# Altium PCB Van Battery Controller V1.PcbDoc (part 2 of 3)
Units mil, origin at the board's own origin, x right, y up, seen from the top; angles counter-clockwise.
Board outline 6889.76 x 6889.76 mil, 8 copper layers (Top (Sig/GND), Int1 (GND), Int2 (24V), Int3 (24V), Int4 (GND), Int5 (24V), Int6 (GND), Bottom (Sig/GND)), stack 90.162 mil thick; 161 components, 117 nets, 594 pads, 573 vias.
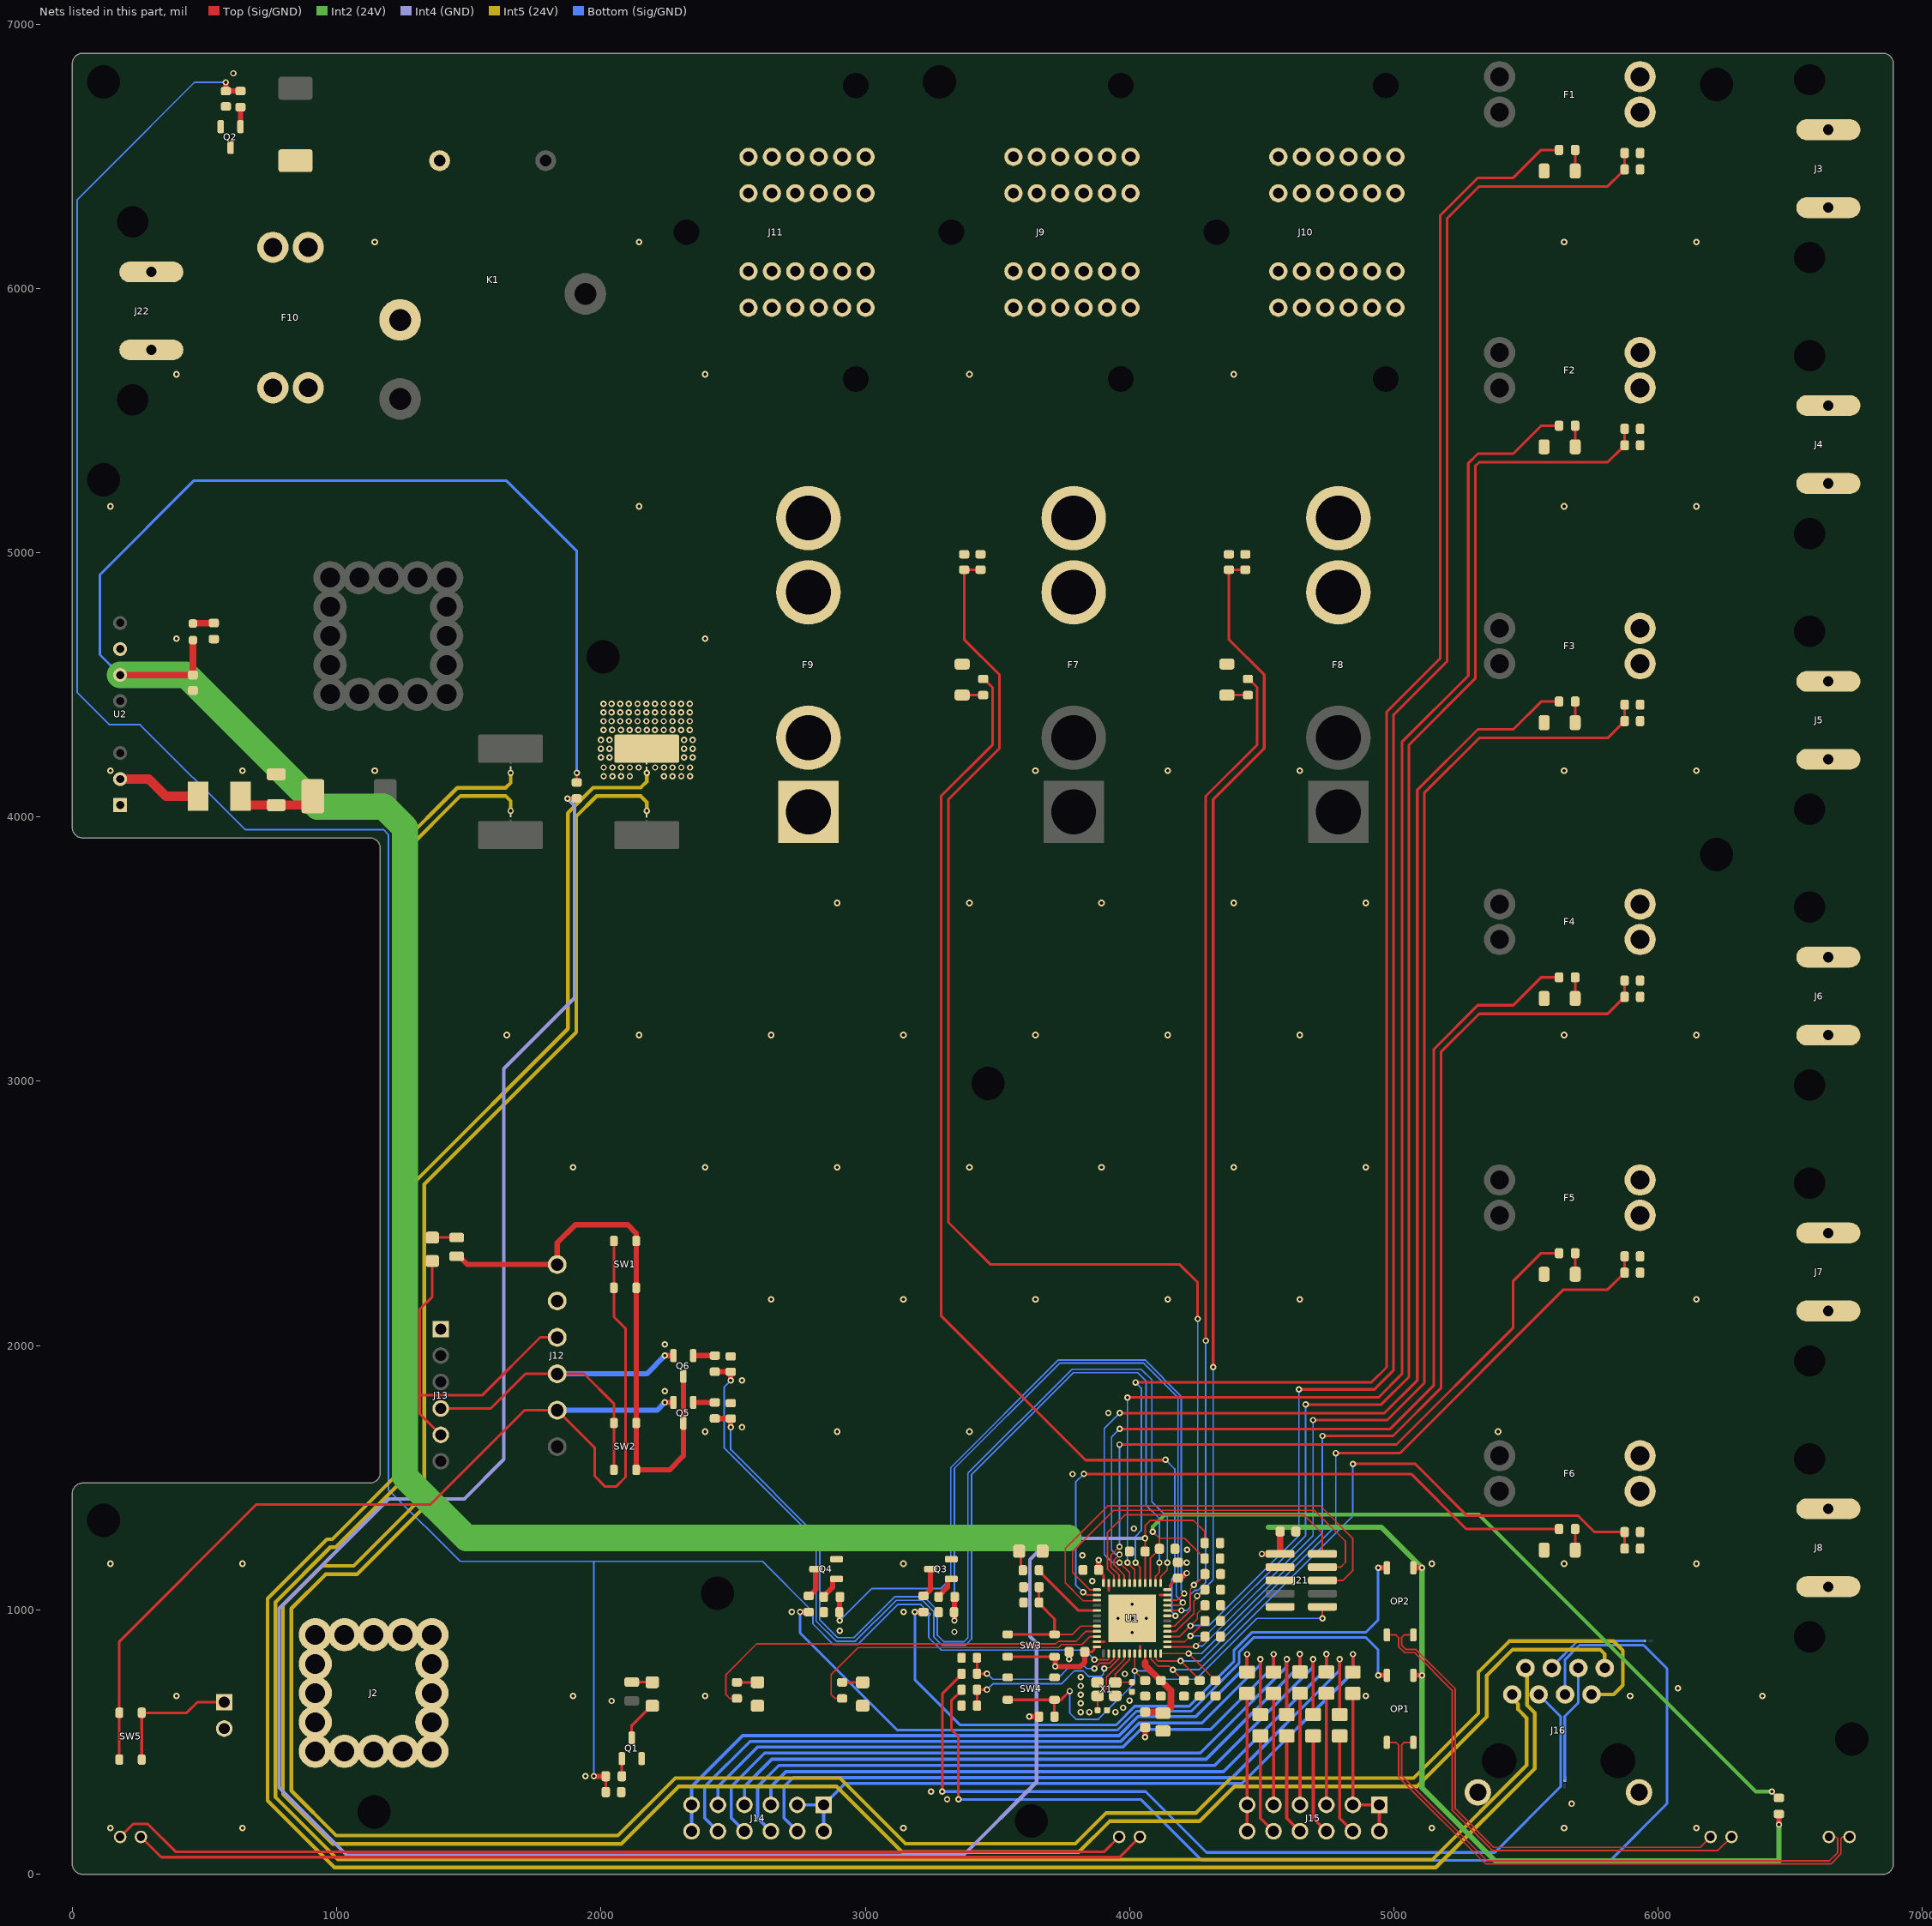
[diagram p8: the nets of this part, all layers, seen from the top]

## Part data (continued)
R4 R6 R35 R37: library part CRCW060310K0JNEA, "RES SMD 10K OHM 5% 1/10W 0603", Case Code (Imperial)=0603, Case Code (Metric)=1608, Manufacturer="Vishay Dale", Max Operating Temperature=155°C, Max Power Dissipation=100mW, Min Operating Temperature=-55°C, Package Quantity=1, Resistance Tolerance=5%, Resistor Type="Thick Film", Supplier Part Number 1=541-10KGCT-ND, Temperature Coefficient=200ppm/°C, Voltage Rating=75V, Case/Package=0603, Category="Chip SMD Resistors", ComponentLink1Description=https://datasheet.ciiva.com/2461/dcrcwe3-2461971.pdf?src-supplier=Digi-Key, ComponentLink1URL=https://datasheet.ciiva.com/2461/dcrcwe3-2461971.pdf?src-supplier=Digi-Key, ComponentLink2Description=https://datasheet.ciiva.com/2461/dcrcwe3-2461972.pdf?src-supplier=Digi-Key, ComponentLink2URL=https://datasheet.ciiva.com/2461/dcrcwe3-2461972.pdf?src-supplier=Digi-Key, ComponentLink3Description=https://datasheet.ciiva.com/2461/dcrcwe3-2461973.pdf?src-supplier=Digi-Key, ComponentLink3URL=https://datasheet.ciiva.com/2461/dcrcwe3-2461973.pdf?src-supplier=Digi-Key, ComponentLink4Description=https://datasheet.ciiva.com/16343/dcrcwe3-16343525.pdf?src-supplier=Future+Electronics, ComponentLink4URL=https://datasheet.ciiva.com/16343/dcrcwe3-16343525.pdf?src-supplier=Future+Electronics, ComponentLink5Description=https://datasheet.ciiva.com/16755/70201119-16755717.pdf?src-supplier=Allied+Electronics, ComponentLink5URL=https://datasheet.ciiva.com/16755/70201119-16755717.pdf?src-supplier=Allied+Electronics, ComponentLink6Description=https://datasheet.ciiva.com/16771/70201119-16771051.pdf?src-supplier=Allied+Electronics, ComponentLink6URL=https://datasheet.ciiva.com/16771/70201119-16771051.pdf?src-supplier=Allied+Electronics, ComponentLink7Description=https://datasheet.ciiva.com/16515/dcrcwe3-16515020.pdf?src-supplier=Avnet+Asia, ComponentLink7URL=https://datasheet.ciiva.com/16515/dcrcwe3-16515020.pdf?src-supplier=Avnet+Asia, ComponentLink8Description=https://datasheet.ciiva.com/3256/dcrcwe3-3256942.pdf?src-supplier=Avnet, ComponentLink8URL=https://datasheet.ciiva.com/3256/dcrcwe3-3256942.pdf?src-supplier=Avnet, ComponentLink9Description=https://datasheet.ciiva.com/3256/dcrcwe3-3256943.pdf?src-supplier=Avnet, ComponentLink9URL=https://datasheet.ciiva.com/3256/dcrcwe3-3256943.pdf?src-supplier=Avnet, Construction=Rectangular, Contact Plating=Tin, Depth=0.85mm, Features="Automotive AEC-Q200", Height=0.02inch, Lead Free="Lead Free", Length=1.55mm, Manufacturer Part Number=CRCW060310K0JNEA, Military Standard=Not, Mount="Surface Mount", Number of Pins=2, Number of Terminations=2, Packaging="Tape and Reel", Power Rating=100mW, Pricing 1="1=0.10000, 10=0.03100, 100=0.01250, 1000=0.00563, 2500=0.00488 (USD)", Radiation Hardening=No, REACH SVHC=Unknown, Resistance=10kR, RoHS=Yes, RoHS Compliant=Yes, Series=CRCW, Size Code=0603, Stock 1=5423, Supplier 1=Digi-Key, Termination=SMD/SMT, Tolerance=5%, Voltage Rating (DC)=75V, Weight=7.1E-05oz, Width=0.033inch
R5 R34 R36 R42 R43 R48 R50: library part CPF0603B100RE1, "RES SMD 100 OHM 0.1% 1/16W 0603", Case Code (Imperial)=0603, Case Code (Metric)=1608, Manufacturer="TE Connectivity Neohm", Max Operating Temperature=155°C, Min Operating Temperature=-55°C, Number of Resistors=1, Package Quantity=1000, Power Rating=63mW, Supplier Part Number 1=A102330CT-ND, Temperature Coefficient=25ppm/°C, Tolerance=0.1%, Voltage Rating=50V, Case/Package=0603, Category="Chip SMD Resistors", ComponentLink1Description=https://datasheet.ciiva.com/6767/1652074-6767153.pdf?src-supplier=Newark, ComponentLink1URL=https://datasheet.ciiva.com/6767/1652074-6767153.pdf?src-supplier=Newark, ComponentLink2Description=https://datasheet.ciiva.com/6116/eng-ds-1773200-j-6116235.pdf?src-supplier=Farnell, ComponentLink2URL=https://datasheet.ciiva.com/6116/eng-ds-1773200-j-6116235.pdf?src-supplier=Farnell, ComponentLink3Description=https://datasheet.ciiva.com/12834/eng-ds-1773200-i-12834812.pdf?src-supplier=Mouser, ComponentLink3URL=https://datasheet.ciiva.com/12834/eng-ds-1773200-i-12834812.pdf?src-supplier=Mouser, Composition="Thin Film", ELV=Compliant, Height=0.45mm, Length=1.55mm, Manufacturer Part Number=CPF0603B100RE1, Mount="Surface Mount", Number of Pins=2, Number of Terminations=2, Packaging="Tape and Reel", Pricing="1=0.65000, 10=0.46300, 100=0.24080 (USD)", REACH SVHC="No SVHC", Resistance=100R, RoHS=Yes, Stock=7060, Supplier 1=Digi-Key, Termination=Solder, Voltage Rating (DC)=50V, Weight=7.1E-05oz, Width=0.8mm
R7 R8 R11 R12 R15 R16 R19 R20 R38 R39 R44 R45 R49 R51 R52 R54: library part RR0816P-103-D, "RES SMD 10K OHM 0.5% 1/16W 0603", Case Code (Imperial)=0603, Case Code (Metric)=1608, Manufacturer=Susumu, Max Operating Temperature=125°C, Max Power Dissipation=63mW, Min Operating Temperature=-55°C, Package Quantity=1, Supplier Part Number 1=RR08P10.0KDCT-ND, Temperature Coefficient=25ppm/°C, Tolerance=0.5%, Voltage Rating=75V, Case/Package=0603, Category=Resistor, ComponentLink1Description=https://datasheet.ciiva.com/11820/0900766b80808d64-11820656.pdf, ComponentLink1URL=https://datasheet.ciiva.com/11820/0900766b80808d64-11820656.pdf, ComponentLink2Description=https://datasheet.ciiva.com/2487/rr-data-sheet-2487034.pdf, ComponentLink2URL=https://datasheet.ciiva.com/2487/rr-data-sheet-2487034.pdf, ComponentLink3Description=https://datasheet.ciiva.com/2487/rr-data-sheet-2487035.pdf, ComponentLink3URL=https://datasheet.ciiva.com/2487/rr-data-sheet-2487035.pdf, ComponentLink4Description=https://datasheet.ciiva.com/2487/rr-data-sheet-2487036.pdf, ComponentLink4URL=https://datasheet.ciiva.com/2487/rr-data-sheet-2487036.pdf, Composition="Thin Film", Depth=0.8mm, Height=0.4mm, Lead Free="Lead Free", Length=1.6mm, Manufacturer Part Number=RR0816P-103-D, Number of Pins=2, Number of Terminations=2, Packaging="Tape and Reel", Power Rating=63mW, Pricing 1="1=0.11, 10=0.098, 100=0.0376, 1000=0.01654, 2500=0.01428 (USD)", REACH SVHC=Unknown, Resistance=10kR, Stock 1=1106095, Supplier 1=Digi-Key, Termination=SMD/SMT, Voltage Rating (DC)=75V, Weight=7.1E-05oz, Width=0.8mm
R9 R10 R13 R14 R17 R18 R21 R22 R40 R41: library part CRCW06031K00FKEA, "RES SMD 1K OHM 1% 1/10W 0603", Case Code (Imperial)=0603, Case Code (Metric)=1608, Manufacturer="Vishay Dale", Max Operating Temperature=155°C, Max Power Dissipation=100mW, Min Operating Temperature=-55°C, Package Quantity=10, Resistance Tolerance=1%, Resistor Type="Thick Film", Supplier Part Number 1=541-1.00KHCT-ND, Temperature Coefficient=100ppm/°C, Voltage Rating=75V, Case/Package=0603, Category="Chip SMD Resistors", ComponentLink1Description=https://datasheet.ciiva.com/11808/0900766b80d98afc-11808625.pdf?src-supplier=RSComponents, ComponentLink1URL=https://datasheet.ciiva.com/11808/0900766b80d98afc-11808625.pdf?src-supplier=RSComponents, ComponentLink2Description=https://datasheet.ciiva.com/8336/dcrcwe3-8336822.pdf?src-supplier=Avnet, ComponentLink2URL=https://datasheet.ciiva.com/8336/dcrcwe3-8336822.pdf?src-supplier=Avnet, ComponentLink3Description=https://datasheet.ciiva.com/16515/dcrcwe3-16515078.pdf?src-supplier=Avnet+Asia, ComponentLink3URL=https://datasheet.ciiva.com/16515/dcrcwe3-16515078.pdf?src-supplier=Avnet+Asia, ComponentLink4Description=https://datasheet.ciiva.com/3257/dcrcwe3-3257132.pdf?src-supplier=Avnet, ComponentLink4URL=https://datasheet.ciiva.com/3257/dcrcwe3-3257132.pdf?src-supplier=Avnet, ComponentLink5Description=https://datasheet.ciiva.com/2465/dcrcwe3-2465534.pdf?src-supplier=Digi-Key, ComponentLink5URL=https://datasheet.ciiva.com/2465/dcrcwe3-2465534.pdf?src-supplier=Digi-Key, ComponentLink6Description=https://datasheet.ciiva.com/16893/dcrcwe3-16893742.pdf?src-supplier=Avnet+Europe, ComponentLink6URL=https://datasheet.ciiva.com/16893/dcrcwe3-16893742.pdf?src-supplier=Avnet+Europe, ComponentLink7Description=https://datasheet.ciiva.com/2465/dcrcwe3-2465535.pdf?src-supplier=Digi-Key, ComponentLink7URL=https://datasheet.ciiva.com/2465/dcrcwe3-2465535.pdf?src-supplier=Digi-Key, ComponentLink8Description=https://datasheet.ciiva.com/2465/dcrcwe3-2465536.pdf?src-supplier=Digi-Key, ComponentLink8URL=https://datasheet.ciiva.com/2465/dcrcwe3-2465536.pdf?src-supplier=Digi-Key, ComponentLink9Description=https://datasheet.ciiva.com/26316/fld-crcw-e3-data-en-26316551.pdf?src-supplier=Distrelec, ComponentLink9URL=https://datasheet.ciiva.com/26316/fld-crcw-e3-data-en-26316551.pdf?src-supplier=Distrelec, ComponentLink10Description=https://datasheet.ciiva.com/46441/1720486-46441623.pdf?src-supplier=Element14, ComponentLink10URL=https://datasheet.ciiva.com/46441/1720486-46441623.pdf?src-supplier=Element14, ComponentLink11Description=https://datasheet.ciiva.com/46441/1720486-46441622.pdf?src-supplier=Element14, ComponentLink11URL=https://datasheet.ciiva.com/46441/1720486-46441622.pdf?src-supplier=Element14, ComponentLink12Description=https://datasheet.ciiva.com/46385/1697337-46385497.pdf?src-supplier=Element14, ComponentLink12URL=https://datasheet.ciiva.com/46385/1697337-46385497.pdf?src-supplier=Element14, ComponentLink13Description=https://datasheet.ciiva.com/16199/dcrcwe3-16199053.pdf?src-supplier=Future+Electronics, ComponentLink13URL=https://datasheet.ciiva.com/16199/dcrcwe3-16199053.pdf?src-supplier=Future+Electronics, Construction=Rectangular, Contact Plating=Tin, Depth=0.85mm, Features="Automotive AEC-Q200", Height=0.45mm, Lead Free="Lead Free", Length=1.55mm, Manufacturer Part Number=CRCW06031K00FKEA, Military Standard=Not, Mount="Surface Mount", Number of Pins=2, Number of Terminations=2, Packaging="Tape and Reel", Power Rating=100mW, Pricing 1="1=0.10000, 10=0.03400, 100=0.01390, 1000=0.00624, 2500=0.00542 (USD)", Radiation Hardening=No, REACH SVHC=Unknown, Resistance=1kR, RoHS=Yes, RoHS Compliant=Yes, Series=CRCW, Size Code=0603, Stock 1=445458, Supplier 1=Digi-Key, Technology="THICK FILM", Termination=SMD/SMT, Tolerance=1%, Voltage Rating (DC)=75V, Weight=7.1E-05oz, Width=0.033inch
R23 R24 R25 R26 R27 R28 R29 R30 R31 R32 R46 R47 R53: library part RC0603FR-07220RL, "RES SMD 220 OHM 1% 1/10W 0603", Case Code (Imperial)=0603, Case Code (Metric)=1608, Manufacturer=Yageo, Max Operating Temperature=155°C, Max Power Dissipation=100mW, Min Operating Temperature=-55°C, Package Quantity=1, Supplier Part Number 1=311-220HRCT-ND, Temperature Coefficient=100ppm/°C, Tolerance=1%, Voltage Rating=50V, Case/Package=0603, ComponentLink1Description=http://www.yageo.com/documents/recent/PYu-RC_Group_51_RoHS_L_9.pdf, ComponentLink1URL=http://www.yageo.com/documents/recent/PYu-RC_Group_51_RoHS_L_9.pdf, ComponentLink2Description=http://documents.rs-components.com/techlib://itc_doclist_GB.htm?stockno=5050303, ComponentLink2URL=http://documents.rs-components.com/techlib://itc_doclist_GB.htm?stockno=5050303, ComponentLink3Description=http://www.farnell.com/datasheets/1738695.pdf, ComponentLink3URL=http://www.farnell.com/datasheets/1738695.pdf, Composition="Thick Film", Depth=0.8mm, Features="Moisture Resistant", Height=0.022inch, Lead Free="Lead Free", Length=1.6mm, Manufacturer Part Number=RC0603FR-07220RL, Military Standard=Not, Number of Pins=2, Number of Terminations=2, Packaging="Tape and Reel", Power Rating=100mW, REACH SVHC="No SVHC", Resistance=220R, Stock 1=8341820, Supplier 1=Digi-Key, Termination=SMD/SMT, Voltage Rating (DC)=50V, Width=0.031inch
R33: library part CRCW08052K00FKEA, "Res Thick Film 0805 2K Ohm 1% 1/8W ±100ppm/°C Molded SMD Paper T/R", Case Code (Imperial)=0805, Case Code (Metric)=2012, Manufacturer=Vishay, Max Operating Temperature=155°C, Max Power Dissipation=125mW, Min Operating Temperature=-55°C, Package Quantity=10, Package Shape=Rectangular, Resistor Type="Thick Film", Supplier Part Number 1=541-2.00KCCT-ND, Temperature Coefficient=100ppm/°C, Tolerance=1%, Voltage Rating=150V, Case/Package=0805, Category="Chip SMD Resistors", ComponentLink1Description=https://datasheet.ciiva.com/9093/dcrcwe3-9093501.pdf?src-supplier=Avnet, ComponentLink1URL=https://datasheet.ciiva.com/9093/dcrcwe3-9093501.pdf?src-supplier=Avnet, ComponentLink2Description=https://datasheet.ciiva.com/2467/dcrcwe3-2467164.pdf?src-supplier=Digi-Key, ComponentLink2URL=https://datasheet.ciiva.com/2467/dcrcwe3-2467164.pdf?src-supplier=Digi-Key, ComponentLink3Description=https://datasheet.ciiva.com/2467/dcrcwe3-2467165.pdf?src-supplier=Digi-Key, ComponentLink3URL=https://datasheet.ciiva.com/2467/dcrcwe3-2467165.pdf?src-supplier=Digi-Key, ComponentLink4Description=https://datasheet.ciiva.com/2467/dcrcwe3-2467166.pdf?src-supplier=Digi-Key, ComponentLink4URL=https://datasheet.ciiva.com/2467/dcrcwe3-2467166.pdf?src-supplier=Digi-Key, ComponentLink5Description=https://datasheet.ciiva.com/5547/dcrcwe3-109170-5547611.pdf?src-supplier=Mouser, ComponentLink5URL=https://datasheet.ciiva.com/5547/dcrcwe3-109170-5547611.pdf?src-supplier=Mouser, ComponentLink6Description=https://datasheet.ciiva.com/16199/dcrcwe3-16199147.pdf?src-supplier=Future+Electronics, ComponentLink6URL=https://datasheet.ciiva.com/16199/dcrcwe3-16199147.pdf?src-supplier=Future+Electronics, ComponentLink7Description=https://datasheet.ciiva.com/15158/getdatasheetpartid-246953-15158870.pdf?src-supplier=Verical, ComponentLink7URL=https://datasheet.ciiva.com/15158/getdatasheetpartid-246953-15158870.pdf?src-supplier=Verical, ComponentLink8Description=https://datasheet.ciiva.com/7673/1720486-7673483.pdf?src-supplier=Element14, ComponentLink8URL=https://datasheet.ciiva.com/7673/1720486-7673483.pdf?src-supplier=Element14, ComponentLink9Description=https://datasheet.ciiva.com/17202/dcrcwe3-17202695.pdf?src-supplier=Avnet+Europe, ComponentLink9URL=https://datasheet.ciiva.com/17202/dcrcwe3-17202695.pdf?src-supplier=Avnet+Europe, ComponentLink10Description=https://datasheet.ciiva.com/16772/70201119-16772086.pdf?src-supplier=Allied+Electronics, ComponentLink10URL=https://datasheet.ciiva.com/16772/70201119-16772086.pdf?src-supplier=Allied+Electronics, ComponentLink11Description=https://datasheet.ciiva.com/7673/1697337-7673343.pdf?src-supplier=Element14, ComponentLink11URL=https://datasheet.ciiva.com/7673/1697337-7673343.pdf?src-supplier=Element14, ComponentLink12Description=https://datasheet.ciiva.com/7673/1720486-7673482.pdf?src-supplier=Element14, ComponentLink12URL=https://datasheet.ciiva.com/7673/1720486-7673482.pdf?src-supplier=Element14, Contact Plating=Tin, Depth=1.25mm, Features="Automotive AEC-Q200", Height=0.02inch, Lead Free="Lead Free", Length=2mm, Manufacturer Part Number=CRCW08052K00FKEA, Military Standard=Not, Mount="Surface Mount", Number of Pins=2, Number of Terminals/Pins=2, Number of Terminations=2, Packaging="Tape and Reel", Power Rating=125mW, Pricing="1=0.10000, 10=0.06500, 100=0.02660, 1000=0.01195, 2500=0.01037 (USD)", Radiation Hardening=No, REACH SVHC=Unknown, Resistance=2kR, RoHS=Yes, RoHS Compliant=Yes, Stock=25162, Supplier 1=Digi-Key, Technology="THICK FILM", Termination=SMD/SMT, Voltage Rating (DC)=150V, Weight=0.000194oz, Width=1.25mm, Working Voltage=150V
SW1 SW2 SW3 SW4 SW5: "SWITCH TACTILE SPST-NO 0.05A 12V", Manufacturer=E-Switch, Max Operating Temperature=70°C, Min Operating Temperature=-20°C, Operating Force=180gf, Supplier Part Number 1=EG5384CT-ND, Illumination Type=Non-Illuminated, Lead Free="Lead Free", Manufacturer Part Number=TL3365AF180QG, Mechanical Life=100000Cycles, Mount="Surface Mount", Packaging="Tape and Reel", Pricing 1="1=0.34, 10=0.333, 25=0.3208, 50=0.3088, 100=0.297, 250=0.27324, 500=0.2376, 1000=0.20196 (USD)", Stock 1=55347, Supplier 1=Digi-Key, Switch Function=Off-Mom, Switch Travel=0.2mm, Termination="Gull Wing", Throw Configuration=SPST
U1: "IC MCU 32BIT 64KB FLASH 48UFQFPN", Case/Package=UFQFPN, Frequency=32MHz, Manufacturer=STMicroelectronics, Max Operating Temperature=85°C, Max Power Dissipation=606mW, Max Supply Voltage=3.6V, Min Operating Temperature=-40°C, Min Supply Voltage=1.65V, Package Quantity=260, Supplier Part Number 1=497-18956-ND, Category=Microcontrollers, ComponentLink1Description=https://datasheet.ciiva.com/48492/dm00078689-48492438.pdf?src-supplier=Avnet, ComponentLink1URL=https://datasheet.ciiva.com/48492/dm00078689-48492438.pdf?src-supplier=Avnet, Core Architecture=ARM, Data Bus Width=32b, Interface=I2C,SPI,USB,IrDA,UART,USART,LIN, Manufacturer Part Number=STM32L152C8U6A, Max Frequency=32MHz, Memory Size=64KB, Memory Type=FLASH, Number of I/Os=37, Number of Pins=48, Number of Programmable I/O=37, Number of Timers/Counters=8, Oscillator Type=Internal, Packaging=Tray, Peripherals="Brown-out Detect/Reset,POR,PWM,WDT,DMA,LCD", Pricing="1=5.17000, 10=4.64000, 25=4.38600, 80=3.80138, 260=3.60638, 520=3.23600, 1040=2.84288 (USD)", RAM Size=32KB, REACH SVHC="No SVHC", RoHS=Yes, RoHS Compliant=Yes, Stock=316, Supplier 1=Digi-Key, Watchdog Timer=Yes
U2: "DC DC CONVERTER 3.3V 5W", Manufacturer="Mean Well", Supplier Part Number 1=1866-4809-ND, Category="Board Mount Modules", ComponentLink1Description=https://media.digikey.com/pdf/Data%20Sheets/Mean%20Well%20PDF's/SPBW06,DPBW06_Ds.pdf?src-supplier=Digi-Key, ComponentLink1URL=https://media.digikey.com/pdf/Data%20Sheets/Mean%20Well%20PDF's/SPBW06,DPBW06_Ds.pdf?src-supplier=Digi-Key, Manufacturer Part Number=SPBW06F-03, Pricing="1=9.99000, 10=9.83900, 25=9.68760, 50=9.38480, 100=8.47660, 250=8.32524, 500=8.17388 (USD)", RoHS=No, Stock=1973, Supplier 1=Digi-Key
X1: library part NX2520SA-24MHZ, "CRYSTAL 24.000000MHZ 10PF SMD", Case/Package=SMD/SMT, ESR (Equivalent Series Resistance)=60R, Frequency=24MHz, Frequency Stability=10ppm, Load Capacitance=10pF, Manufacturer=NDK, Max Operating Temperature=60°C, Min Operating Temperature=-10°C, Package Quantity=3000, Supplier Part Number 1=644-1061-1-ND, Category=Crystals, ComponentLink1Description=https://datasheet.ciiva.com/857/nx2520sa-857515.pdf?src-supplier=Digi-Key, ComponentLink1URL=https://datasheet.ciiva.com/857/nx2520sa-857515.pdf?src-supplier=Digi-Key, ComponentLink2Description=https://datasheet.ciiva.com/857/nx2520sa-857516.pdf?src-supplier=Digi-Key, ComponentLink2URL=https://datasheet.ciiva.com/857/nx2520sa-857516.pdf?src-supplier=Digi-Key, ComponentLink3Description=https://datasheet.ciiva.com/857/nx2520sa-857517.pdf?src-supplier=Digi-Key, ComponentLink3URL=https://datasheet.ciiva.com/857/nx2520sa-857517.pdf?src-supplier=Digi-Key, Frequency Tolerance=10ppm, Height=0.026inch, Lead Free="Lead Free", Length=0.098inch, Manufacturer Part Number=NX2520SA-24.000000MHZ, Mount="Surface Mount", Packaging="Tape and Reel", Pricing 1="1=1.18000, 10=1.12700, 50=1.10040, 100=0.94320, 500=0.91700, 1000=0.77290 (USD)", RoHS=Yes, Stock 1=6806, Supplier 1=Digi-Key, Width=0.079inch

## Free pads (board coordinates)
  round 0 hole 125.98 unplated: 1(118.11,1338.58) 1(118.11,5275.59) 1(118.11,6781.27) 1(1141.73,236.22) 1(2007.87,4606.3) 1(2440.94,1062.99) 1(3280.43,6781.27) 1(3464.57,2992.13) 1(3628.31,202.12) 1(6220.47,3858.27) 1(6220.47,6771.65) 1(6732.28,511.81)

## Via types
v1: diameter 24, hole 12, Top (Sig/GND) to Bottom (Sig/GND), tented both sides, 422 vias
v2: diameter 25, hole 12, Top (Sig/GND) to Bottom (Sig/GND), tented both sides, 151 vias

## Nets (pads, with @x,y where several pads share a name; then routed paths per layer and width w, separated by ;. In a path a pad name is that pad's centre, name@x,y a point inside that pad or via, vN(x,y) a via of type N, cw(c..) or ccw(c..) an arc to the next point about the centre after c; other vN are vias at no path point)
3V3: C1.2 C2.2 C3.2 C7.2 C12.2 D2.A FB1.1 J21.1 NTC1.2 NTC2.2 OP1.1 OP2.1 R6.1 SW3.3 SW3.4 U1.24 U1.36 U1.48 U2.6 | length 14154.3
  Top (Sig/GND) w10: NTC1.2@1908.52,4130.83 v1(1908.52,4166.85) ; SW3.4@3539.02,822.9 SW3.3@3716.18,822.9 3718.64,822.9 SW3.3@3721.1,822.9 ; C1.2@3830.51,841.34 3857.68,841.34 3866.42,850.08 3866.42,859.72 3866.73,860.04 U1.48@3876.38,860.04 ; C2.2@3882.72,1150.19 3901.38,1131.53 U1.36@3901.38,1101.57 ; U1.24@4142.91,1076.57 4152.5,1076.57 4152.82,1076.89 4152.82,1093.13 4180.55,1120.87 4181.71,1120.87 C3.2@4182.87,1120.87
  Top (Sig/GND) w20: v1(3620.88,596.52) R6.1@3657.67,596.52 ; SW3.3@3718.64,822.9 v1(3718.64,786.11) 3813.5,786.11 3830.51,803.12 C1.2@3830.51,841.34 ; C2.2@3882.72,1150.19 C2.2@3882.72,1151.55 v1(3882.72,1188.34) ; v1(4058.86,518.53) FB1.1@4058.86,555.31 ; C3.2@4181.71,1120.87 4188.84,1128 4203.82,1128 4215.21,1139.39 v1(4216.3,1139.39) ; v1(4500.42,1212.05) J21.1@4537.2,1212.05 ; OP1.1@5073.42,752.85 v1(5106.3,752.85) ; OP2.1@5073.42,1159.47 v1(5106.3,1159.47) ; v1(6456.69,187.82) NTC2.2@6456.69,227.86
  Top (Sig/GND) w25: U2.6@180.91,4537.24 C12.2@456.5,4537.24 D2.A@456.5,4669.09 ; J21.1@4569.46,1211.94 4569.57,1212.05 C7.2@4569.57,1297.05
  Int2 (24V) w20: 4524.74,1312.62 4953.14,1312.62 v1(5106.3,1159.47) v1(5106.3,752.85) 5106.3,327.65 5383.89,50.05 6456.69,50.05 v1(6456.69,187.82)
  Int2 (24V) w100: U2.6@180.91,4537.24 430.87,4537.24 928.94,4039.17 1178.82,4039.17 1258.43,3959.57 1258.43,1504.96 1490.77,1272.61 3768.48,1272.61
  Bottom (Sig/GND) w10: U2.6@180.91,4537.24 104.13,4614.02 104.13,4916.68 459.34,5271.88 1642.67,5271.88 1908.52,5006.03 v1(1908.52,4166.85)
3V3A: C4.2 C6.2 FB1.2 U1.9 | length 354.4
  Top (Sig/GND) w6: C6.2@4121.75,613.98 C6.2@4126.28,609.45
  Top (Sig/GND) w10: 4058.86,800.66 U1.9@4058.86,835.04
  Top (Sig/GND) w25: FB1.2@4058.86,613.98 C6.2@4121.75,613.98 ; 4058.86,800.66 4058.86,790.44 4111.62,737.68 C4.2@4120.59,737.68 ; C4.2@4118.6,733.06 4120.57,733.06 4125.2,728.43 4125.2,726.46 4156.2,695.46 4156.2,632.28 4133.37,609.45 C6.2@4126.28,609.45
24V_AUX: J23.1 SW5.1 SW5.2 | length 505.8
  Top (Sig/GND) w10: SW5.1@262.6,433.92 SW5.2@262.6,611.08 433.07,611.08 473.17,651.18 J23.1@574.61,651.18
24V_HEATER_FUSED: F10.3 F10.4 J22.1
30A_CKT1_FUSE_DETECT: C13.2 R7.1 R9.2 U1.15 | length 6951.4
  Top (Sig/GND) w6: U1.15@4142.91,899.41 4189.86,899.41 v1(4230.33,939.87) 4256.24,965.79 4256.24,986.86 4285.24,1015.85 C13.2@4285.24,1017.52
  Top (Sig/GND) w10: v1(4640.55,1834.45) 4926.35,1834.45 4998.82,1906.91 4998.82,4386.61 5201.45,4589.24 5201.45,6264.79 5322.64,6385.98 5809.19,6385.98 5860.62,6437.41 5862.44,6437.41 5873.17,6448.14 R9.2@5873.17,6449.96 R7.1@5873.17,6511.97
  Bottom (Sig/GND) w6: v1(4230.33,939.87) 4231.95,941.5 4301.46,941.5 4640.55,1280.59 v1(4640.55,1834.45)
30A_CKT1_FUSE_LED: R23.1 U1.29 | length 6752.9
  Top (Sig/GND) w6: v1(4022.23,1179.17) 4039.17,1162.23 U1.29@4039.17,1101.57
  Top (Sig/GND) w10: v1(4022.23,1860.9) 4915.4,1860.9 4972.37,1917.87 4972.37,4397.57 5175,4600.2 5175,6275.75 5317.72,6418.46 5451.57,6418.46 5556.89,6523.78 R23.1@5624.8,6523.78
  Bottom (Sig/GND) w6: v1(4022.23,1179.17) 4022.23,1277.99 4044.47,1300.23 4044.47,1838.66 v1(4022.23,1860.9)